# Allegro board 1151864-PCIE3_0_X16-166-20240802_20240815_2000_pcb.brd (continued)
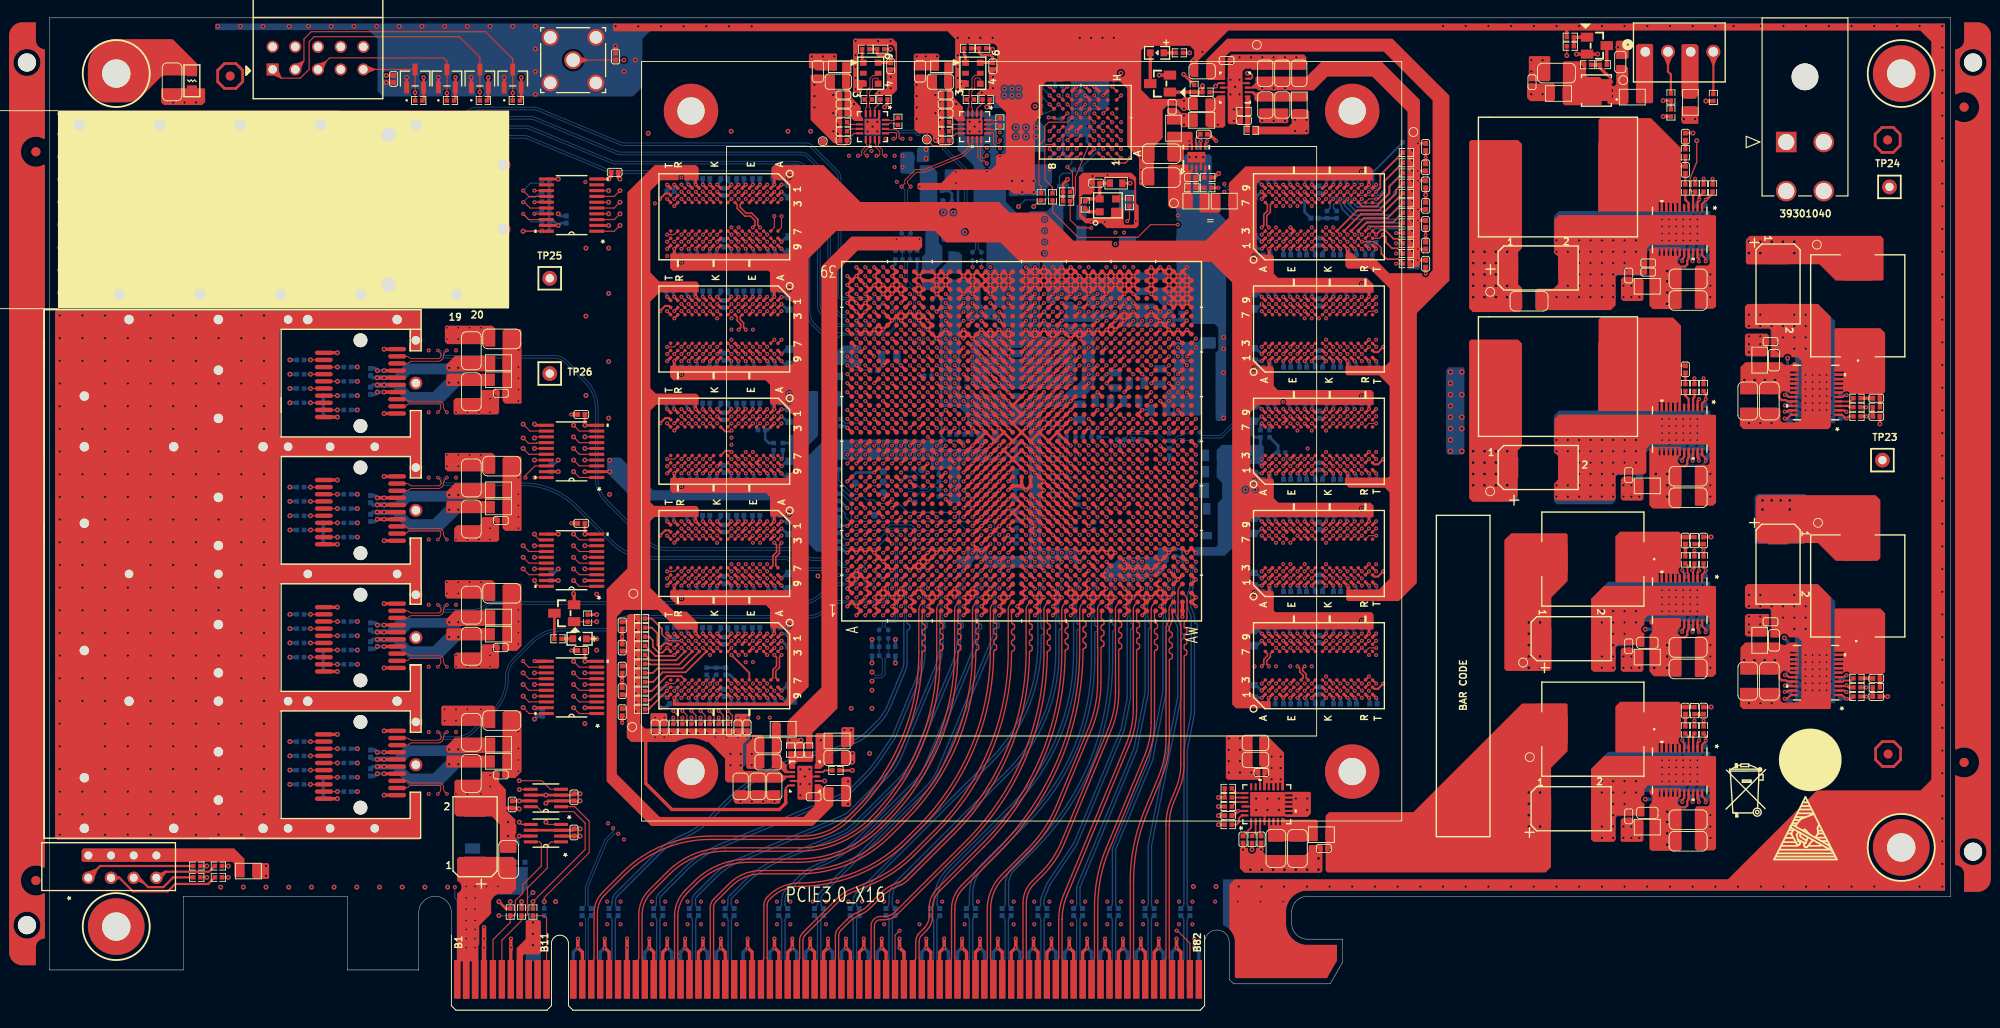
[diagram p0: board, top side]
## Routing (per net, layer and track width the routed paths; a pad name or vN(x,y) marks a point on that pad's centre or on a via; arc(x,y) is an arc through that point) (continued)
FPGA_DDR4_2_DQ15: length 47.4
  TOP w0.127: U9.D7 v1(138.09,90.87) ; U1.AN14 v1(122.32,57.23)
  ART12 w0.137: v1(122.32,57.23) 122.79,57.7 122.79,58.34 123.18,58.72 123.56,58.72 123.81,58.98 123.81,59.49 124.06,59.74 124.45,59.74 124.83,60.12 124.83,62.59 125.97,63.73 128.26,63.73 130.85,66.32 130.85,78.08 131.61,78.85 131.61,79.04 131.39,79.27 131.39,79.46 131.58,79.65 131.78,79.65 132,79.43 132.19,79.43 132.39,79.62 132.39,79.82 132.16,80.04 132.16,80.24 132.36,80.43 132.55,80.43 132.78,80.2 132.97,80.2 137.4,84.63 139.16,84.63 139.29,84.77 139.29,90.34 139.16,90.47 U9.D7 v1(138.09,90.87)
FPGA_DDR4_2_DQ16: length 37.2
  TOP w0.127: U1.AR14 v1(124.32,57.23) ; U10.G2 v1(140.49,73.5)
  ART05 w0.137: v1(124.32,57.23) 124.82,57.73 128.33,57.73 129.18,58.58 129.18,58.77 129.03,58.92 129.03,59.11 129.22,59.31 129.41,59.31 129.56,59.16 129.76,59.16 129.95,59.35 129.95,59.55 129.8,59.7 129.8,59.89 130,60.09 130.19,60.09 130.34,59.94 130.53,59.94 130.73,60.13 130.73,60.32 130.58,60.47 130.58,60.67 130.77,60.86 130.97,60.86 131.12,60.71 131.31,60.71 131.5,60.91 131.5,61.1 131.36,61.25 131.36,61.44 131.79,61.88 131.98,61.88 132.07,61.79 132.26,61.79 132.46,61.99 132.46,62.18 132.37,62.26 132.37,62.46 132.56,62.65 132.76,62.65 132.84,62.57 133.04,62.57 133.23,62.76 133.23,62.96 133.15,63.04 133.15,63.24 133.84,63.93 133.84,74.5 135.21,75.87 140.07,75.87 140.89,75.04 140.89,73.9 140.49,73.5 v1(140.49,73.5)
FPGA_DDR4_2_DQ17: length 33.5
  TOP w0.127: U10.F7 v1(139.69,78.3) ; U1.AP17 v1(123.32,60.23)
  ART05 w0.137: v1(139.69,78.3) 139.3,78.7 139.3,79.3 139.09,79.5 134.12,79.5 130.46,75.84 129.11,72.58 129.11,68.44 128.97,68.31 128.82,68.31 128.69,68.17 128.69,67.89 128.82,67.76 128.97,67.76 129.11,67.62 129.11,67.35 128.97,67.21 128.82,67.21 128.69,67.07 128.69,66.8 128.82,66.66 128.97,66.66 129.11,66.52 129.11,65.69 128.85,65.06 127.47,63.68 126.1,63.68 125.84,63.42 125.84,63.04 125.59,62.79 125.21,62.79 124.83,62.41 124.83,62.03 124.57,61.77 124.06,61.77 123.81,61.52 123.81,61.01 123.32,60.52 v1(123.32,60.23)
FPGA_DDR4_2_DQ18: length 37.4
  TOP w0.127: U10.H3 v1(141.29,74.3) ; U1.AT15 v1(125.32,58.23)
  ART05 w0.137: v1(141.29,74.3) 141.29,75.2 140.24,76.26 140.1,76.32 134.92,76.32 133.41,74.8 133.41,66.53 133.27,66.4 133.14,66.4 133.01,66.26 133.01,65.98 133.14,65.85 133.27,65.85 133.41,65.71 133.41,65.44 133.27,65.3 133.14,65.3 133.01,65.16 133.01,64.89 133.14,64.75 133.27,64.75 133.41,64.61 133.41,64.13 132.87,63.59 132.67,63.59 132.48,63.78 132.29,63.78 132.1,63.58 132.1,63.39 132.28,63.2 132.28,63.01 132.09,62.81 131.9,62.81 131.71,63 131.51,63 131.32,62.81 131.32,62.61 131.51,62.42 131.51,62.23 131.31,62.04 131.12,62.04 130.93,62.22 130.74,62.22 130.54,62.03 130.54,61.84 130.73,61.65 130.73,61.45 130.54,61.26 130.34,61.26 130.16,61.45 129.96,61.45 129.77,61.25 129.77,61.06 129.96,60.87 129.96,60.68 129.76,60.48 129.57,60.48 129.38,60.67 129.19,60.67 128.99,60.48 128.99,60.28 129.18,60.1 129.18,59.9 128.94,59.66 128.03,59.66 127.87,59.51 127.87,58.98 127.62,58.73 125.82,58.73 v1(125.32,58.23)
FPGA_DDR4_2_DQ19: length 37.3
  TOP w0.127: U10.H7 v1(141.29,78.3) ; U1.AN16 v1(122.32,59.23)
  ART05 w0.137: v1(141.29,78.3) 141.19,78.3 140.79,78.7 140.33,78.7 140.09,78.94 140.09,79.27 139.86,79.5 139.53,79.5 139.3,79.74 139.3,80.07 139.05,80.31 134.25,80.31 130.15,76.22 127.87,70.72 127.87,70.38 128.01,70.25 128.25,70.25 128.38,70.11 128.38,69.83 128.25,69.7 128.01,69.7 127.87,69.56 127.87,69.29 128.01,69.15 128.25,69.15 128.38,69.01 128.38,68.74 128.25,68.6 128.01,68.6 127.87,68.46 127.87,64.97 127.52,64.62 126.15,64.62 124.83,63.3 124.83,63.12 124.5,62.79 124.19,62.79 123.81,62.41 123.81,62.03 123.37,61.59 122.87,60.38 122.87,59.78 v1(122.32,59.23)
FPGA_DDR4_2_DQ20: length 37.4
  TOP w0.127: U1.AR15 v1(124.32,58.23) ; U10.H2 v1(141.29,73.5)
  ART05 w0.137: v1(124.32,58.23) 124.58,58.23 125.17,58.81 125.49,58.81 125.82,59.14 125.82,59.41 126.15,59.74 127.52,59.74 127.85,60.07 127.85,60.48 128.05,60.68 128.43,60.68 132.45,64.69 132.45,69.29 132.58,69.43 132.84,69.43 132.98,69.57 132.98,69.84 132.84,69.98 132.58,69.98 132.45,70.11 132.45,70.39 132.58,70.53 132.84,70.53 132.98,70.66 132.98,70.94 132.84,71.07 132.58,71.07 132.45,71.21 132.45,71.49 132.58,71.62 132.84,71.62 132.98,71.76 132.98,72.03 132.84,72.17 132.58,72.17 132.45,72.31 132.45,72.82 132.98,73.36 132.98,75.01 134.73,76.75 140.1,76.75 140.49,76.59 141.77,75.31 141.77,73.89 141.38,73.5 v1(141.29,73.5)
FPGA_DDR4_2_DQ21: length 34.4
  TOP w0.127: U1.AN17 v1(122.32,60.23) ; U10.H8 v1(141.29,79.1)
  ART05 w0.137: v1(122.32,60.23) 122.39,60.3 122.79,61.27 122.79,62.16 122.92,62.45 123.12,62.66 123.56,62.84 123.75,63.03 124,63.64 124.63,64.27 125.37,64.57 125.79,65 125.79,65.33 126.05,65.59 126.48,65.77 126.68,65.97 126.83,66.33 126.83,69.44 129.78,76.55 134.05,80.82 138.98,80.82 139.71,80.52 140.09,80.13 140.09,79.74 140.33,79.5 140.63,79.5 141.07,79.27 v1(141.29,79.1)
FPGA_DDR4_2_DQ22: length 36.7
  TOP w0.127: U1.AP14 v1(123.32,57.23) ; U10.J3 v1(142.89,74.3)
  ART05 w0.137: v1(142.89,74.3) 142.42,75.01 142.26,75.41 140.71,76.96 140.14,77.19 134.53,77.19 132.55,75.21 132.55,73.56 131.99,73 131.99,65.28 128.43,61.72 128.15,61.72 127.82,61.39 127.82,61.06 127.52,60.76 126.22,60.76 125.84,60.38 125.84,60.12 125.46,59.74 125.21,59.74 124.83,59.36 124.83,59.15 124.49,58.81 124.13,58.66 123.81,58.34 123.81,57.72 v1(123.32,57.23)
FPGA_DDR4_2_DQ23: length 37.6
  TOP w0.127: U10.J7 v1(142.89,78.3) ; U1.AN15 v1(122.32,58.23)
  ART05 w0.137: v1(122.32,58.23) 122.84,58.75 123.56,58.75 123.84,59.03 123.84,59.46 124.1,59.73 124.46,59.73 124.83,60.1 124.83,60.45 125.13,60.76 125.49,60.76 125.84,61.11 125.84,61.42 126.15,61.72 127.49,61.72 127.85,62.08 127.85,62.36 128.2,62.71 128.43,62.71 130.77,65.05 130.77,72.52 130.85,72.59 130.85,72.79 130.48,73.15 130.48,73.35 130.68,73.54 130.87,73.54 131.23,73.18 131.43,73.18 132.09,73.84 132.09,75.51 134.48,77.9 U10.J7 v1(142.89,78.3)
FPGA_DDR4_2_DQ24: length 29.4
  TOP w0.127: U1.AU15 v1(126.32,58.23) ; U10.A3 v1(135.69,74.3)
  ART12 w0.137: v1(135.69,74.3) 135.79,74.3 136.09,74 136.09,70.69 135.96,70.55 135.61,70.55 135.47,70.41 135.47,70.14 135.61,70 135.96,70 136.09,69.86 136.09,69.59 135.96,69.45 135.61,69.45 135.47,69.31 135.47,69.04 135.61,68.9 135.96,68.9 136.09,68.77 136.09,65.07 135.67,64.65 135.67,62.46 134.54,61.32 134.54,61.13 134.8,60.87 134.8,60.67 134.61,60.48 134.41,60.48 134.15,60.74 133.96,60.74 133.76,60.55 133.76,60.35 134.02,60.09 134.02,59.9 133.83,59.7 133.64,59.7 133.37,59.97 133.18,59.97 132.98,59.77 132.98,59.58 133.25,59.31 133.25,59.12 133.05,58.93 132.86,58.93 132.6,59.19 132.4,59.19 131.94,58.72 126.73,58.72 126.32,58.31 v1(126.32,58.23)
FPGA_DDR4_2_DQ25: length 28.7
  TOP w0.127: U10.B8 v1(136.49,79.1) ; U1.AT16 v1(125.32,59.23)
  ART12 w0.137: v1(136.49,79.1) 136.3,79.1 135.9,79.5 135.21,79.5 132.42,76.71 132.42,65.74 131.87,65.18 131.87,64.83 131.66,64.62 131.3,64.62 128.46,61.77 127.11,61.77 126.86,61.52 126.86,60.91 126.71,60.76 126.1,60.76 125.84,60.5 125.84,59.37 125.71,59.23 v1(125.32,59.23)
FPGA_DDR4_2_DQ26: length 29.3
  TOP w0.127: U10.C3 v1(137.29,74.3) ; U1.AV14 v1(127.32,57.23)
  ART12 w0.137: v1(137.29,74.3) 137.69,73.9 137.69,71.04 137.83,70.9 137.92,70.9 138.06,70.76 138.06,70.49 137.92,70.35 137.83,70.35 137.69,70.21 137.69,69.94 137.83,69.8 137.92,69.8 138.06,69.67 138.06,69.39 137.92,69.25 137.83,69.25 137.69,69.12 137.69,59.48 136.92,58.7 136.73,58.7 136.5,58.93 136.31,58.93 136.11,58.73 136.11,58.54 136.34,58.31 136.34,58.12 135.93,57.71 127.87,57.71 127.39,57.23 v1(127.32,57.23)
FPGA_DDR4_2_DQ27: length 25.5
  TOP w0.127: U1.AW18 v1(128.32,61.23) ; U10.C7 v1(137.29,78.3)
  ART12 w0.137: v1(137.29,78.3) 136.89,78.7 135.23,78.7 132.85,76.33 132.85,64.74 131.63,63.52 131.38,63.52 131.24,63.67 131.04,63.67 130.85,63.48 130.85,63.28 131.08,63.04 131.08,62.85 130.89,62.66 130.7,62.66 130.46,62.89 130.27,62.89 128.6,61.23 v1(128.32,61.23)
FPGA_DDR4_2_DQ28: length 29.5
  TOP w0.127: U10.C2 v1(137.29,73.5) ; U1.AV15 v1(127.32,58.23)
  ART12 w0.137: v1(127.32,58.23) 133.02,58.23 133.87,59.08 134.07,59.08 134.38,58.78 135.27,58.78 136.09,59.6 136.65,59.6 136.89,59.85 136.89,62.75 136.76,62.89 136.52,62.89 136.38,63.03 136.38,63.3 136.52,63.44 136.76,63.44 136.89,63.58 136.89,63.85 136.76,63.99 136.52,63.99 136.38,64.12 136.38,64.4 136.52,64.54 136.76,64.54 136.89,64.67 136.89,68.4 136.54,68.76 136.54,69.1 136.67,69.24 137.11,69.24 137.25,69.37 137.25,69.65 137.11,69.78 136.67,69.78 136.54,69.92 136.54,70.2 136.67,70.33 137.11,70.33 137.25,70.47 137.25,70.74 137.11,70.88 136.67,70.88 136.54,71.02 136.54,71.98 136.89,72.34 136.89,73.1 v1(137.29,73.5)
FPGA_DDR4_2_DQ29: length 28.9
  TOP w0.127: U10.C8 v1(137.29,79.1) ; U1.AT17 v1(125.32,60.23)
  ART12 w0.137: v1(137.29,79.1) 136.82,79.42 136.62,79.5 136.4,79.5 136.28,79.55 136.15,79.68 136.1,79.81 136.1,80.02 136.06,80.1 135.85,80.31 135.5,80.31 135.19,80.11 131.99,76.91 131.99,66.07 128.59,62.66 127.14,62.66 126.83,62.36 126.83,62.1 126.53,61.8 126.09,61.62 125.88,61.41 125.65,60.84 125.52,60.72 v1(125.32,60.23)
FPGA_DDR4_2_DQ30: length 29.4
  TOP w0.127: U1.AW14 v1(128.32,57.23) ; U10.D3 v1(138.09,74.3)
  ART12 w0.137: v1(138.09,74.3) 138.09,74.11 138.49,73.71 138.49,72.44 138.72,72.22 138.72,68.1 138.49,67.87 138.49,59.57 137.77,58.84 137.77,58.65 138.04,58.39 138.04,58.19 137.84,58 137.65,58 137.38,58.26 137.19,58.26 137,58.07 137,57.87 137.26,57.61 137.26,57.42 137.07,57.22 136.87,57.22 136.61,57.49 136.41,57.49 136.16,57.23 v1(128.32,57.23)
FPGA_DDR4_2_DQ31: length 25.8
  TOP w0.127: U1.AW17 v1(128.32,60.23) ; U10.D7 v1(138.09,78.3)
  ART12 w0.137: v1(138.09,78.3) 138.09,77.99 134.48,74.37 134.48,62.74 131.61,59.87 128.89,59.87 128.53,60.23 v1(128.32,60.23)
FPGA_DDR4_2_DQ32: length 39.3
  TOP w0.127: U1.AG10 v1(116.32,53.23) ; U11.G2 v1(140.49,35.78)
  ART10 w0.137: v1(116.32,53.23) 115.81,52.72 115.81,51.99 116.06,51.74 116.44,51.74 116.83,51.36 116.83,50.98 117.08,50.72 117.59,50.72 117.84,50.47 117.84,49.96 118.1,49.71 118.6,49.71 118.86,49.45 118.86,49.07 119.24,48.69 125.46,48.69 125.84,48.31 125.84,47.85 126.68,47.02 128.41,47.02 129.27,46.15 129.27,39.57 133.46,35.38 140.09,35.38 v1(140.49,35.78)
FPGA_DDR4_2_DQ33: length 39.1
  TOP w0.127: U11.F7 v1(139.69,40.58) ; U1.AJ11 v1(118.32,54.23)
  ART10 w0.137: v1(118.32,54.23) 118.43,54.23 118.86,54.66 129.7,54.66 130.2,54.16 130.4,54.16 130.76,54.52 130.96,54.52 131.15,54.33 131.15,54.14 130.79,53.77 130.79,53.58 130.98,53.38 131.17,53.38 131.54,53.75 131.73,53.75 131.93,53.55 131.93,53.36 131.56,53 131.56,52.8 131.76,52.61 131.95,52.61 132.32,52.97 132.51,52.97 132.7,52.78 132.7,52.58 132.34,52.22 132.34,52.02 132.53,51.83 132.73,51.83 133.09,52.2 133.29,52.2 133.48,52 133.48,51.81 133.12,51.44 133.12,51.25 133.46,50.9 133.46,42.34 135.75,40.06 139.17,40.06 v1(139.69,40.58)
FPGA_DDR4_2_DQ34: length 38.3
  TOP w0.127: U1.AJ9 v1(118.32,52.23) ; U11.H3 v1(141.29,36.58)
  ART10 w0.137: v1(118.32,52.23) 118.86,51.69 118.86,50.98 119.11,50.73 128.73,50.73 129.56,49.9 129.56,49.71 128.94,49.09 128.94,48.89 129.14,48.7 129.33,48.7 129.95,49.32 130.14,49.32 130.38,49.08 130.38,40.21 133.59,37.01 140.87,37.01 v1(141.29,36.58)
FPGA_DDR4_2_DQ35: length 39.1
  TOP w0.127: U11.H7 v1(141.29,40.58) ; U1.AJ12 v1(118.32,55.23)
  ART10 w0.137: v1(141.29,40.58) 140.9,40.98 140.28,40.98 140.09,41.17 140.09,42.57 139.69,42.98 137.02,42.98 134.48,45.52 134.48,53.11 134.17,53.42 134.17,53.61 134.29,53.74 134.29,53.93 134.1,54.12 133.91,54.12 133.78,54 133.59,54 133.39,54.19 133.39,54.39 133.52,54.51 133.52,54.71 133.32,54.9 133.13,54.9 133.01,54.78 132.81,54.78 132.62,54.97 132.62,55.16 132.74,55.29 132.74,55.48 132.55,55.68 132.35,55.68 132.23,55.55 132.04,55.55 131.84,55.75 131.84,55.94 131.97,56.06 131.97,56.26 131.77,56.45 131.58,56.45 131.45,56.33 131.26,56.33 130.9,56.69 121.4,56.69 120.38,55.68 118.77,55.68 v1(118.32,55.23)
FPGA_DDR4_2_DQ36: length 39
  TOP w0.127: U11.H2 v1(141.29,35.78) ; U1.AH10 v1(117.32,53.23)
  ART10 w0.137: v1(141.29,35.78) 140.89,36.18 133.4,36.18 129.84,39.74 129.84,46.26 129.45,46.66 129.45,46.86 129.85,47.26 129.85,47.45 129.66,47.65 129.46,47.65 129.06,47.24 128.86,47.24 128.64,47.47 127.72,47.47 126.5,48.69 126.22,48.69 125.84,49.07 125.84,49.33 125.46,49.71 119.11,49.71 118.86,49.96 118.86,50.34 118.48,50.72 118.1,50.72 117.84,50.98 117.84,52.71 v1(117.32,53.23)
FPGA_DDR4_2_DQ37: length 39.3
  TOP w0.127: U1.AH12 v1(117.32,55.23) ; U11.H8 v1(141.29,41.38)
  ART10 w0.137: v1(141.29,41.38) 140.89,41.78 140.89,42.66 139.94,43.61 138.92,43.61 135.01,47.52 135.01,53.98 131.28,57.71 130.72,57.71 130.58,57.57 130.58,57.34 130.45,57.2 130.17,57.2 130.03,57.34 130.03,57.57 129.9,57.71 129.62,57.71 129.49,57.57 129.49,57.34 129.35,57.2 129.07,57.2 128.94,57.34 128.94,57.57 128.8,57.71 121.14,57.71 120.89,57.45 120.89,57.07 120.51,56.69 118.1,56.69 117.84,56.44 117.84,55.75 v1(117.32,55.23)
FPGA_DDR4_2_DQ38: length 38
  TOP w0.127: U1.AK9 v1(119.32,52.23) ; U11.J3 v1(142.89,36.58)
  ART10 w0.137: v1(119.32,52.23) 119.82,51.73 128.44,51.73 130.92,49.25 130.92,40.64 131.7,39.86 131.89,39.86 132.09,40.06 132.29,40.06 132.48,39.87 132.48,39.68 132.28,39.48 132.28,39.28 132.47,39.09 132.67,39.09 132.87,39.29 133.06,39.29 133.26,39.09 133.26,38.9 133.06,38.7 133.06,38.51 134.05,37.52 141.96,37.52 v1(142.89,36.58)
FPGA_DDR4_2_DQ39: length 39.1
  TOP w0.127: U1.AK10 v1(119.32,53.23) ; U11.J7 v1(142.89,40.58)
  ART10 w0.137: v1(142.89,40.58) 142.89,39.33 141.59,38.02 134.73,38.02 134.14,38.62 134.14,39.13 131.56,41.71 131.56,49.3 131.14,49.72 131.14,49.92 131.31,50.09 131.31,50.28 131.12,50.48 130.92,50.48 130.75,50.3 130.56,50.3 130.36,50.5 130.36,50.69 130.54,50.87 130.54,51.06 130.34,51.25 130.15,51.25 129.97,51.08 129.78,51.08 128.1,52.76 119.79,52.76 v1(119.32,53.23)
FPGA_DDR4_2_DQ40: length 34.2
  TOP w0.127: U1.AK11 v1(119.32,54.23) ; U11.A3 v1(135.69,36.58)
  ART12 w0.137: v1(119.32,54.23) 119.32,54.05 119.8,53.57 119.8,51.03 119.44,50.67 119.44,49.76 119.75,49.45 119.75,49.07 120.1,48.72 120.58,48.72 120.79,48.51 120.79,47.04 121.17,46.66 125.79,46.66 125.89,46.76 126.96,46.76 127.1,46.62 127.1,46.29 127.24,46.15 127.51,46.15 127.65,46.29 127.65,46.62 127.78,46.76 128.69,46.76 128.89,46.56 128.89,44.55 128.76,44.41 128.42,44.41 128.28,44.27 128.28,44 128.42,43.86 128.76,43.86 128.89,43.72 128.89,43.45 128.76,43.31 128.42,43.31 128.28,43.17 128.28,42.9 128.42,42.76 128.76,42.76 128.89,42.63 128.89,41.83 133.04,37.68 v1(135.69,36.58)
FPGA_DDR4_2_DQ41: length 31
  TOP w0.127: U1.AN9 v1(122.32,52.23) ; U11.B8 v1(136.49,41.38)
  ART12 w0.137: v1(122.32,52.23) 122.85,52.76 128.04,52.76 128.17,52.62 128.17,52.33 128.31,52.2 128.58,52.2 128.72,52.33 128.72,52.62 128.86,52.76 129.13,52.76 129.27,52.62 129.27,52.33 129.41,52.2 130.59,52.2 130.74,52.05 130.93,52.05 131.38,52.51 131.58,52.51 131.77,52.31 131.77,52.12 131.32,51.66 131.32,51.47 131.51,51.28 131.71,51.28 132.16,51.73 132.35,51.73 132.55,51.54 132.55,51.34 132.1,50.89 132.1,50.69 132.29,50.5 132.48,50.5 132.94,50.95 133.13,50.95 133.33,50.76 133.33,50.57 132.87,50.11 132.87,49.92 133.07,49.72 133.26,49.72 133.71,50.18 133.91,50.18 134.1,49.98 134.1,49.79 133.65,49.34 133.65,49.14 133.82,48.97 133.82,42.75 134.78,41.78 135.8,41.78 135.86,41.78 136.26,41.38 v1(136.49,41.38)
FPGA_DDR4_2_DQ42: length 32.4
  TOP w0.127: U11.C3 v1(137.29,36.58) ; U1.AM9 v1(121.32,52.23)
  ART12 w0.137: v1(137.29,36.58) 137.29,36.99 136.43,37.85 135.15,37.85 134.56,38.09 130.39,42.27 130.39,42.62 130.25,42.76 130.09,42.76 129.96,42.89 129.96,43.17 130.09,43.3 130.25,43.3 130.39,43.44 130.39,43.72 130.25,43.85 130.09,43.85 129.96,43.99 129.96,44.27 130.09,44.4 130.25,44.4 130.39,44.54 130.39,44.81 130.25,44.95 130.09,44.95 129.96,45.09 129.96,45.36 130.09,45.5 130.25,45.5 130.39,45.64 130.39,45.91 130.25,46.05 130.09,46.05 129.96,46.19 129.96,46.46 130.09,46.6 130.25,46.6 130.39,46.73 130.39,47.01 130.25,47.15 130.09,47.15 129.96,47.28 129.96,47.56 130.09,47.69 130.25,47.69 130.39,47.83 130.39,48.41 130.11,48.69 126.22,48.69 125.84,49.07 125.84,49.33 125.46,49.71 121.03,49.71 120.89,49.84 120.89,51.49 121.32,51.92 v1(121.32,52.23)
FPGA_DDR4_2_DQ43: length 30.9
  TOP w0.127: U11.C7 v1(137.29,40.58) ; U1.AN10 v1(122.32,53.23)
  ART12 w0.137: v1(122.32,53.23) 122.63,53.23 123.18,53.77 128.51,53.77 128.92,53.37 131.4,53.37 131.57,53.2 131.76,53.2 132.08,53.52 132.27,53.52 132.46,53.32 132.46,53.13 132.15,52.81 132.15,52.62 132.34,52.43 132.54,52.43 132.85,52.74 133.05,52.74 133.24,52.55 133.24,52.35 132.93,52.04 132.93,51.84 133.12,51.65 133.31,51.65 133.63,51.96 133.82,51.96 134.02,51.77 134.02,51.58 133.7,51.26 133.7,51.07 133.9,50.87 134.09,50.87 134.23,51.01 134.42,51.01 134.61,50.82 134.61,50.62 134.48,50.49 134.48,47.78 134.3,47.6 134.3,43.18 134.76,42.72 135.82,42.72 136.09,42.44 136.09,42 136.31,41.78 136.66,41.78 136.89,41.55 136.89,40.94 137.25,40.58 v1(137.29,40.58)
FPGA_DDR4_2_DQ44: length 32
  TOP w0.127: U1.AL8 v1(120.32,51.23) ; U11.C2 v1(137.29,35.78)
  ART12 w0.137: v1(137.29,35.78) 136.89,36.18 136.89,36.75 136.28,37.36 135.18,37.36 134.24,37.75 133.66,38.33 133.47,38.33 133.41,38.27 133.22,38.27 133.02,38.46 133.02,38.66 133.08,38.72 133.08,38.91 132.89,39.11 132.69,39.11 132.63,39.05 132.44,39.05 132.25,39.24 132.25,39.43 132.31,39.49 132.31,39.69 132.11,39.88 131.92,39.88 131.86,39.82 131.66,39.82 131.47,40.02 131.47,40.21 131.53,40.27 131.53,40.46 131.33,40.66 131.14,40.66 131.08,40.6 130.89,40.6 130.69,40.79 130.69,40.99 130.75,41.05 130.75,41.24 130.56,41.44 130.36,41.44 130.3,41.38 130.11,41.38 129.92,41.57 129.92,41.76 129.98,41.82 129.98,42.02 129.4,42.6 129.4,47.47 129.12,47.75 127.7,47.75 127.57,47.89 127.57,48 127.43,48.13 127.16,48.13 127.02,48 127.02,47.89 126.88,47.75 126.07,47.75 125.84,47.98 125.84,48.44 125.55,48.73 121.11,48.73 120.76,49.07 120.76,49.45 120.51,49.71 120.25,49.71 119.87,50.09 119.87,50.62 120.32,51.07 v1(120.32,51.23)
FPGA_DDR4_2_DQ45: length 32.3
  TOP w0.127: U1.AM10 v1(121.32,53.23) ; U11.C8 v1(137.29,41.38)
  ART12 w0.137: v1(137.29,41.38) 137.29,41.62 136.89,42.02 136.89,42.49 135.34,44.05 135.34,44.25 135.2,44.39 134.84,44.39 134.71,44.53 134.71,44.8 134.84,44.94 135.2,44.94 135.34,45.08 135.34,45.35 135.2,45.49 134.84,45.49 134.71,45.63 134.71,45.9 134.84,46.04 135.2,46.04 135.34,46.17 135.34,47.02 134.99,47.37 134.99,48.97 135.29,49.28 135.29,51.31 132.3,54.3 132.3,54.52 132.17,54.66 131.89,54.66 131.76,54.52 131.76,54.34 131.62,54.2 131.34,54.2 131.21,54.34 131.21,54.52 131.07,54.66 130.8,54.66 130.66,54.52 130.66,54.34 130.52,54.2 130.25,54.2 130.11,54.34 130.11,54.52 129.97,54.66 129.7,54.66 129.56,54.52 129.56,54.34 129.42,54.2 129.12,54.2 128.53,54.79 123.18,54.79 122.79,54.41 122.79,54.03 122.58,53.81 121.91,53.81 v1(121.32,53.23)
FPGA_DDR4_2_DQ46: length 32
  TOP w0.127: U1.AM8 v1(121.32,51.23) ; U11.D3 v1(138.09,36.58)
  ART12 w0.137: v1(121.32,51.23) 121.32,51.28 121.78,51.74 129.63,51.74 130.07,51.3 130.26,51.3 130.42,51.46 130.62,51.46 130.81,51.27 130.81,51.07 130.65,50.91 130.65,50.72 130.84,50.52 131.04,50.52 131.2,50.69 131.39,50.69 131.59,50.49 131.59,50.3 131.42,50.14 131.42,49.94 131.62,49.75 131.81,49.75 131.97,49.91 132.17,49.91 132.36,49.72 132.36,49.52 132.2,49.36 132.2,49.17 132.39,48.97 132.59,48.97 132.75,49.13 132.94,49.13 133.14,48.94 133.14,48.75 132.98,48.58 132.98,48.39 133.28,48.08 133.28,42.42 135.01,40.69 136.26,40.69 138.09,38.85 v1(138.09,36.58)
FPGA_DDR4_2_DQ47: length 34
  TOP w0.127: U1.AL10 v1(120.32,53.23) ; U11.D7 v1(138.09,40.58)
  ART12 w0.137: v1(120.32,53.23) 120.81,53.72 120.81,55.62 120.95,55.75 129.48,55.75 129.62,55.62 129.62,55.41 129.75,55.27 130.03,55.27 130.16,55.41 130.16,55.62 130.3,55.75 130.58,55.75 130.71,55.62 130.71,55.41 130.85,55.27 131.12,55.27 131.26,55.41 131.26,55.62 131.4,55.75 131.76,55.75 136.09,51.42 136.09,44.46 137.69,42.86 137.69,40.9 138.02,40.58 v1(138.09,40.58)
FPGA_DDR4_2_DQ48: length 28.3
  TOP w0.127: U1.AP8 v1(123.32,51.23) ; U12.G2 v1(140.49,48.36)
  ART05 w0.137: v1(140.49,48.36) 140.28,48.36 139.88,47.96 135.14,47.96 134.99,47.8 132.75,47.8 132.61,47.94 132.61,48.63 132.47,48.77 132.2,48.77 132.06,48.63 132.06,47.94 131.92,47.8 131.65,47.8 131.51,47.94 131.51,48.63 131.37,48.77 131.1,48.77 130.96,48.63 130.96,47.94 130.83,47.8 130.55,47.8 130.41,47.94 130.41,48.63 130.28,48.77 130,48.77 129.87,48.63 129.87,47.94 129.73,47.8 129.45,47.8 129.32,47.94 129.32,48.4 129.18,48.54 128.91,48.54 128.77,48.4 128.77,47.94 128.63,47.8 127.76,47.8 127.62,47.94 127.62,48.17 127.48,48.31 127.21,48.31 127.07,48.17 127.07,47.94 126.94,47.8 126.62,47.8 126.31,47.5 125.93,47.5 125.82,47.61 125.82,48.46 125.59,48.69 125.08,48.69 124.83,48.95 124.83,49.45 124.57,49.71 124.06,49.71 123.81,49.96 123.81,50.74 v1(123.32,51.23)
FPGA_DDR4_2_DQ49: length 26.4
  TOP w0.127: U1.AT11 v1(125.32,54.23) ; U12.F7 v1(139.69,53.16)
  ART05 w0.137: v1(139.69,53.16) 139.69,53.38 139.3,53.77 139.3,53.78 139.3,53.79 139.3,54.13 139.07,54.36 134.99,54.36 134.74,54.6 134.74,55.17 134.87,55.3 134.95,55.3 135.05,55.4 135.05,55.7 134.9,55.85 134.33,55.85 134.19,55.72 134.19,54.75 134.06,54.61 133.78,54.61 133.64,54.75 133.64,55.72 133.51,55.85 133.23,55.85 133.1,55.72 133.1,54.75 132.96,54.61 132.68,54.61 132.55,54.75 132.55,55.72 132.41,55.85 132.14,55.85 132,55.72 132,54.75 131.86,54.61 131.59,54.61 131.45,54.75 131.45,55.72 131.31,55.85 131.04,55.85 130.9,55.72 130.9,54.75 130.76,54.61 129.88,54.61 129.45,54.18 129.02,54.18 128.61,53.77 126.1,53.77 125.64,54.23 v1(125.32,54.23)
FPGA_DDR4_2_DQ50: length 28.2
  TOP w0.127: U1.AP9 v1(123.32,52.23) ; U12.H3 v1(141.29,49.16)
  ART05 w0.137: v1(123.32,52.23) 123.32,51.85 125.13,50.04 125.7,50.04 125.84,49.9 125.84,48.95 126.03,48.76 128.5,48.76 128.97,49.23 132.92,49.23 133.06,49.09 133.06,48.37 133.2,48.23 133.47,48.23 133.61,48.37 133.61,49.09 133.74,49.23 134.02,49.23 134.16,49.09 134.16,48.37 134.29,48.23 134.57,48.23 134.71,48.37 134.71,49.16 134.84,49.3 135.06,49.3 135.23,49.14 135.23,48.89 135.36,48.76 135.96,48.76 136.09,48.89 136.09,49.88 136.43,50.22 137.56,50.22 137.69,50.08 137.69,48.84 137.78,48.76 141.12,48.76 141.29,48.93 v1(141.29,49.16)
FPGA_DDR4_2_DQ51: length 26.9
  TOP w0.127: U12.H7 v1(141.29,53.16) ; U1.AR11 v1(124.32,54.23)
  ART05 w0.137: v1(124.32,54.23) 124.75,54.66 128.43,54.66 128.64,54.86 129.4,54.86 130.82,56.29 135.73,56.29 135.87,56.15 135.87,55.46 136,55.32 136.28,55.32 136.41,55.46 136.41,56.15 136.55,56.29 136.83,56.29 136.96,56.15 136.96,55.46 137.1,55.32 137.37,55.32 137.51,55.46 137.51,56.4 137.65,56.54 137.92,56.54 138.06,56.4 138.06,55.46 138.2,55.32 138.47,55.32 138.61,55.46 138.61,56.15 138.75,56.29 139.16,56.29 139.3,56.15 139.3,54.59 139.53,54.36 139.86,54.36 140.09,54.12 140.09,53.74 140.28,53.56 140.92,53.56 141.29,53.18 v1(141.29,53.16)
FPGA_DDR4_2_DQ52: length 26.5
  TOP w0.127: U12.H2 v1(141.29,48.36) ; U1.AP11 v1(123.32,54.23)
  ART05 w0.137: v1(141.29,48.36) 140.86,48.05 140.63,47.96 140.31,47.96 140.09,47.74 140.09,47.38 139.91,47.2 139.77,47.14 135.32,47.14 134.95,47.29 127.38,47.29 126.33,47.08 125.94,46.93 125.37,46.81 125.21,46.81 125.1,46.86 124.96,46.99 124.82,47.35 124.82,48.08 124.77,48.34 124.72,48.44 124.54,48.62 124.15,48.78 123.94,49 123.75,49.46 123.44,49.76 122.87,51.14 122.87,53.2 122.91,53.37 123.28,54.16 v1(123.32,54.23)
FPGA_DDR4_2_DQ53: length 25.9
  TOP w0.127: U1.AP12 v1(123.32,55.23) ; U12.H8 v1(141.29,53.96)
  ART05 w0.137: v1(123.32,55.23) 123.77,55.68 129.45,55.68 130.59,56.82 136.65,56.82 136.93,57.1 139.37,57.1 139.51,56.96 139.51,56.73 139.65,56.59 139.9,56.59 140.06,56.75 140.06,56.96 140.2,57.1 140.88,57.1 141.07,56.91 141.07,56.15 140.93,56.01 139.85,56.01 139.71,55.87 139.71,55.6 139.85,55.46 140.76,55.46 140.89,55.33 140.89,54.36 v1(141.29,53.96)
FPGA_DDR4_2_DQ54: length 26.9
  TOP w0.127: U1.AR10 v1(124.32,53.23) ; U12.J3 v1(142.89,49.16)
  ART05 w0.137: v1(124.32,53.23) 124.79,52.76 125.5,52.76 125.84,52.42 125.84,52 126.12,51.73 126.54,51.73 127.09,52.27 128.56,52.27 129.04,52.76 139.09,52.76 139.45,52.39 139.45,52.15 139.61,51.99 140.77,51.99 140.91,51.86 140.91,50.61 141.05,50.47 141.32,50.47 141.46,50.61 141.46,51.86 141.59,51.99 142.02,51.99 142.28,51.74 142.28,49.29 142.41,49.16 v1(142.89,49.16)
FPGA_DDR4_2_DQ55: length 26.9
  TOP w0.127: U12.J7 v1(142.89,53.16) ; U1.AT10 v1(125.32,53.23)
  ART05 w0.137: v1(142.89,53.16) 142.52,53.16 142.32,53.36 142.32,53.45 142.23,53.54 141.95,53.54 141.85,53.45 141.85,52.76 141.59,52.5 139.75,52.5 138.7,53.56 135.43,53.56 135.16,53.29 134.83,53.29 134.69,53.43 134.69,53.94 134.56,54.08 134.28,54.08 134.14,53.94 134.14,53.43 134.01,53.29 133.73,53.29 133.6,53.43 133.6,53.94 133.46,54.08 133.18,54.08 133.05,53.94 133.05,53.43 132.91,53.29 132.63,53.29 132.5,53.43 132.5,53.94 132.36,54.08 132.09,54.08 131.95,53.94 131.95,53.43 131.81,53.29 131.54,53.29 131.4,53.43 131.4,53.94 131.26,54.08 130.99,54.08 130.85,53.94 130.85,53.43 130.71,53.29 130.44,53.29 130.3,53.43 130.3,53.81 130.13,53.99 129.93,53.99 129.75,53.81 129.75,53.43 129.62,53.29 128.97,53.29 128.43,52.76 126.1,52.76 125.62,53.23 v1(125.32,53.23)
